# Altium PCB HallFM2_1.PcbDoc (part 1 of 3)
Units mm, origin at the board's own origin, x right, y up, seen from the top; angles counter-clockwise.
Board outline 114 x 97 mm, 4 copper layers (Top Layer, Signal Layer 1, Signal Layer 2, Bottom Layer), stack 0.971 mm thick; 267 components, 203 nets, 952 pads, 270 vias.
Unrouted connection lines stored in the file: 252.
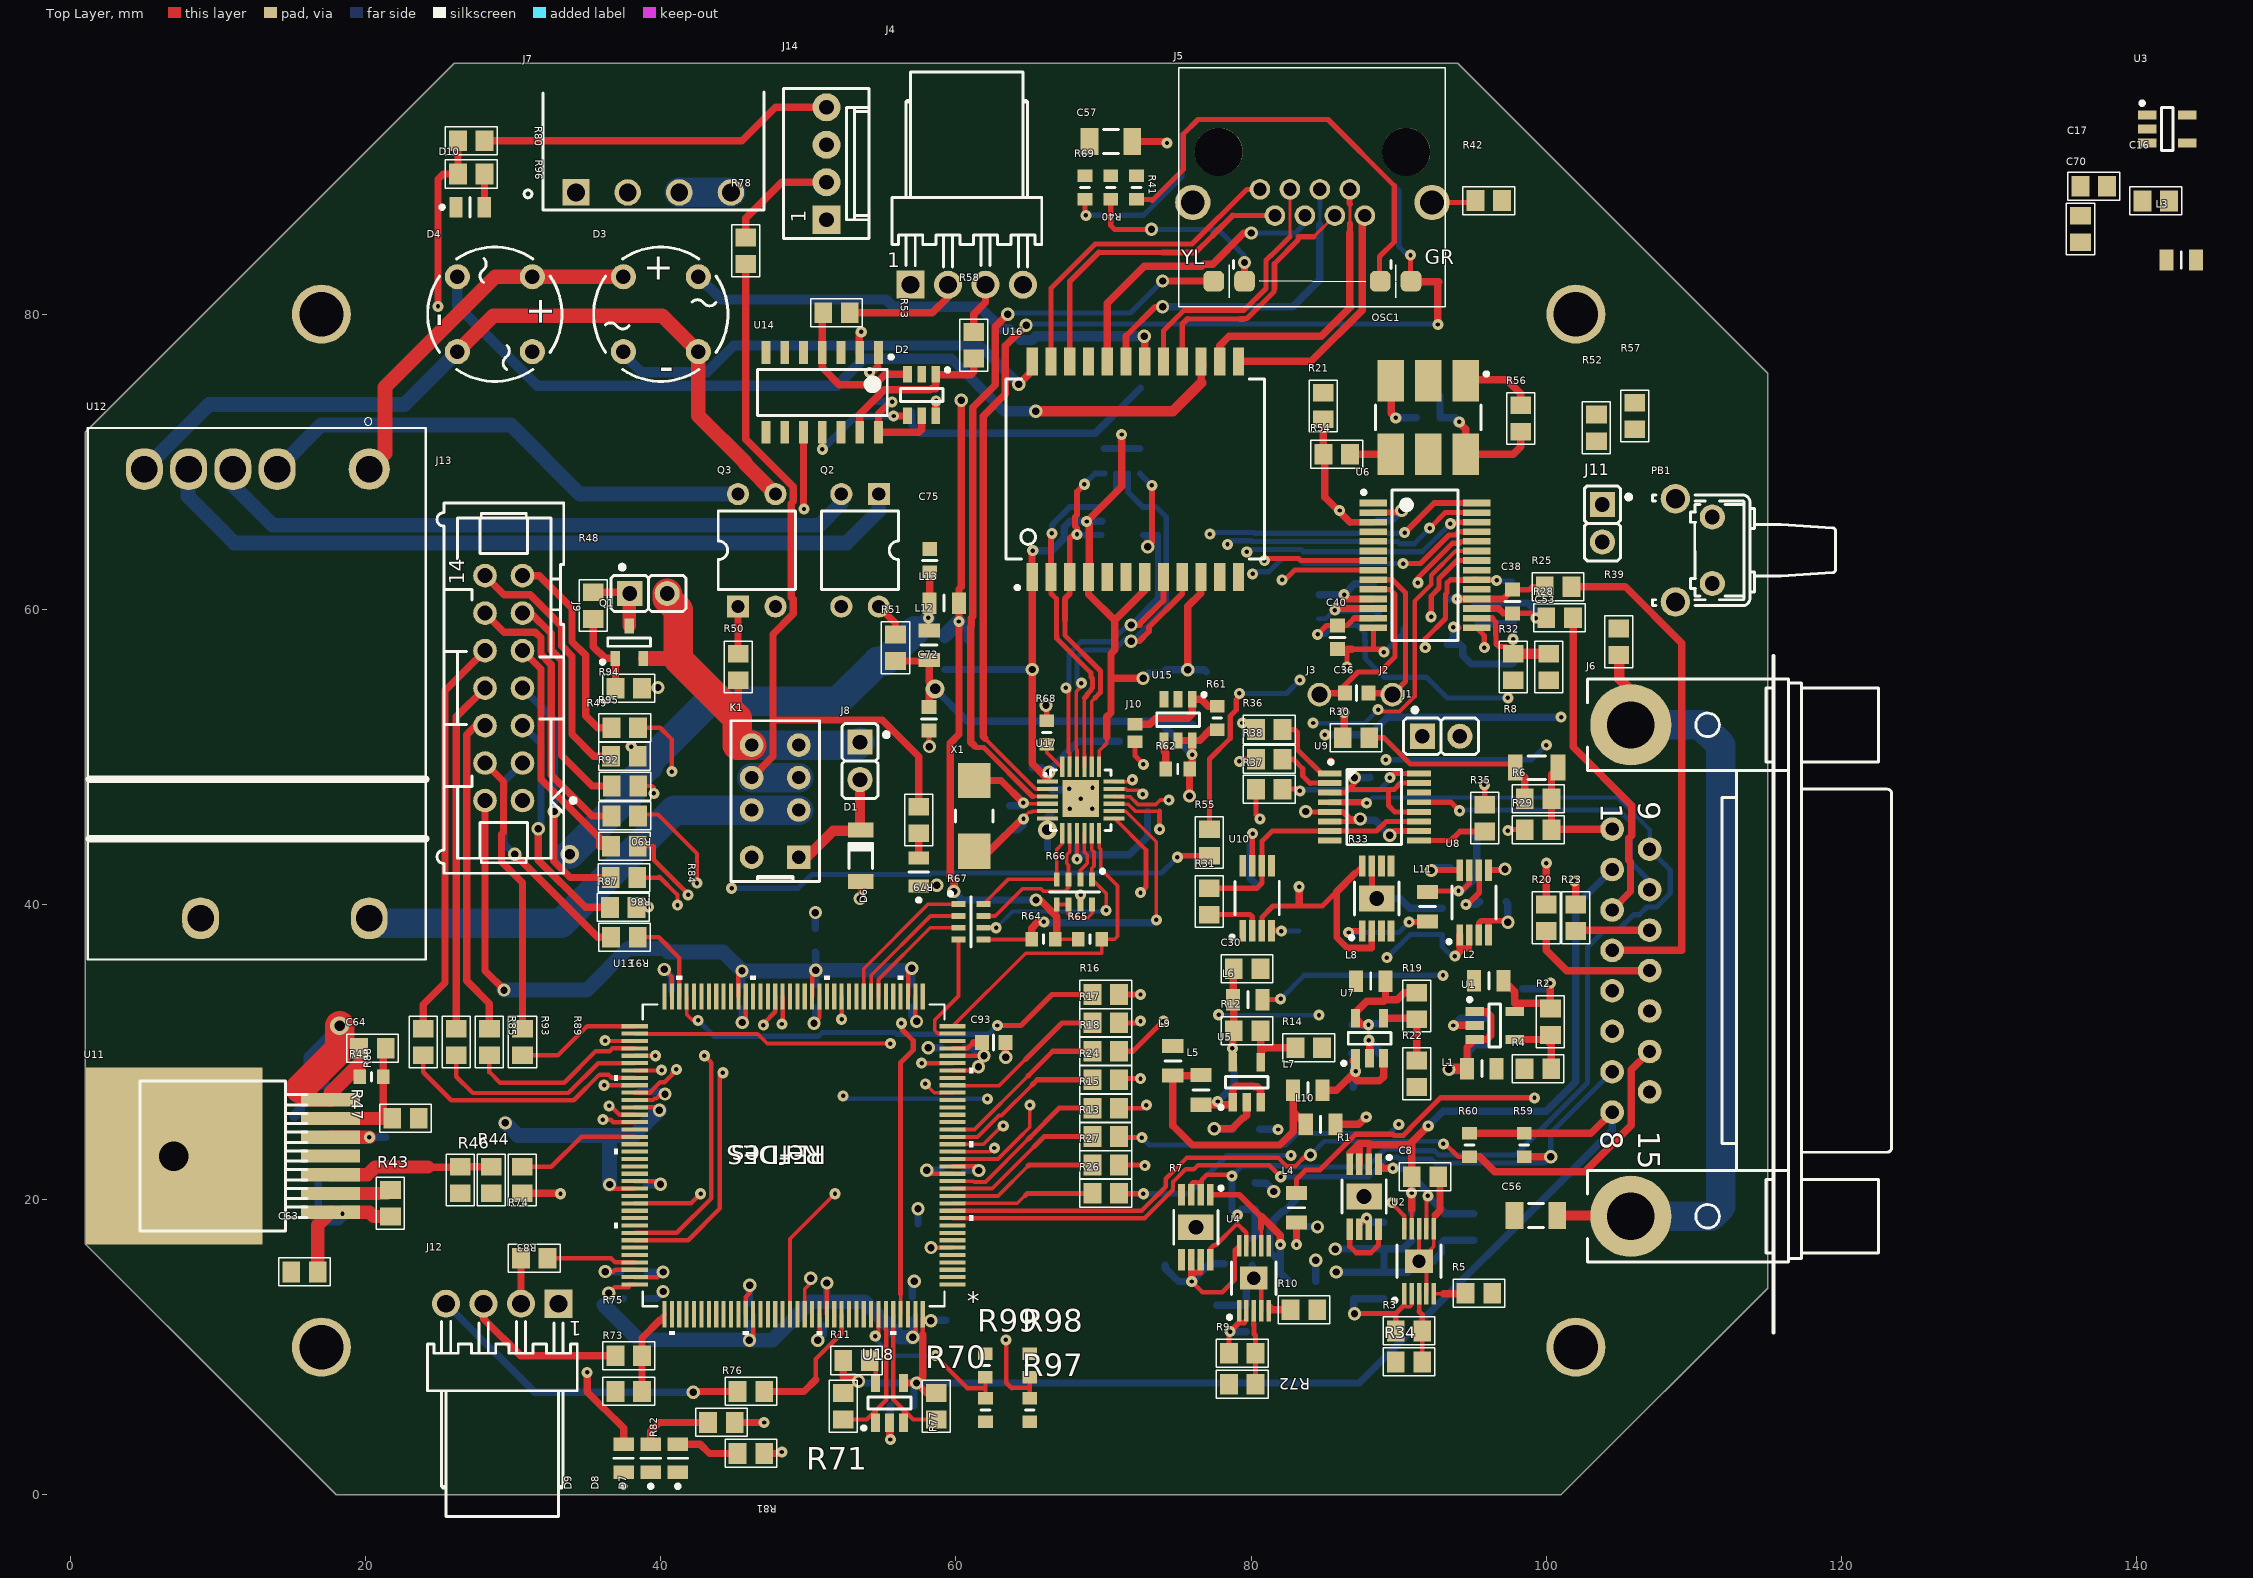
[diagram p0: Top Layer view]
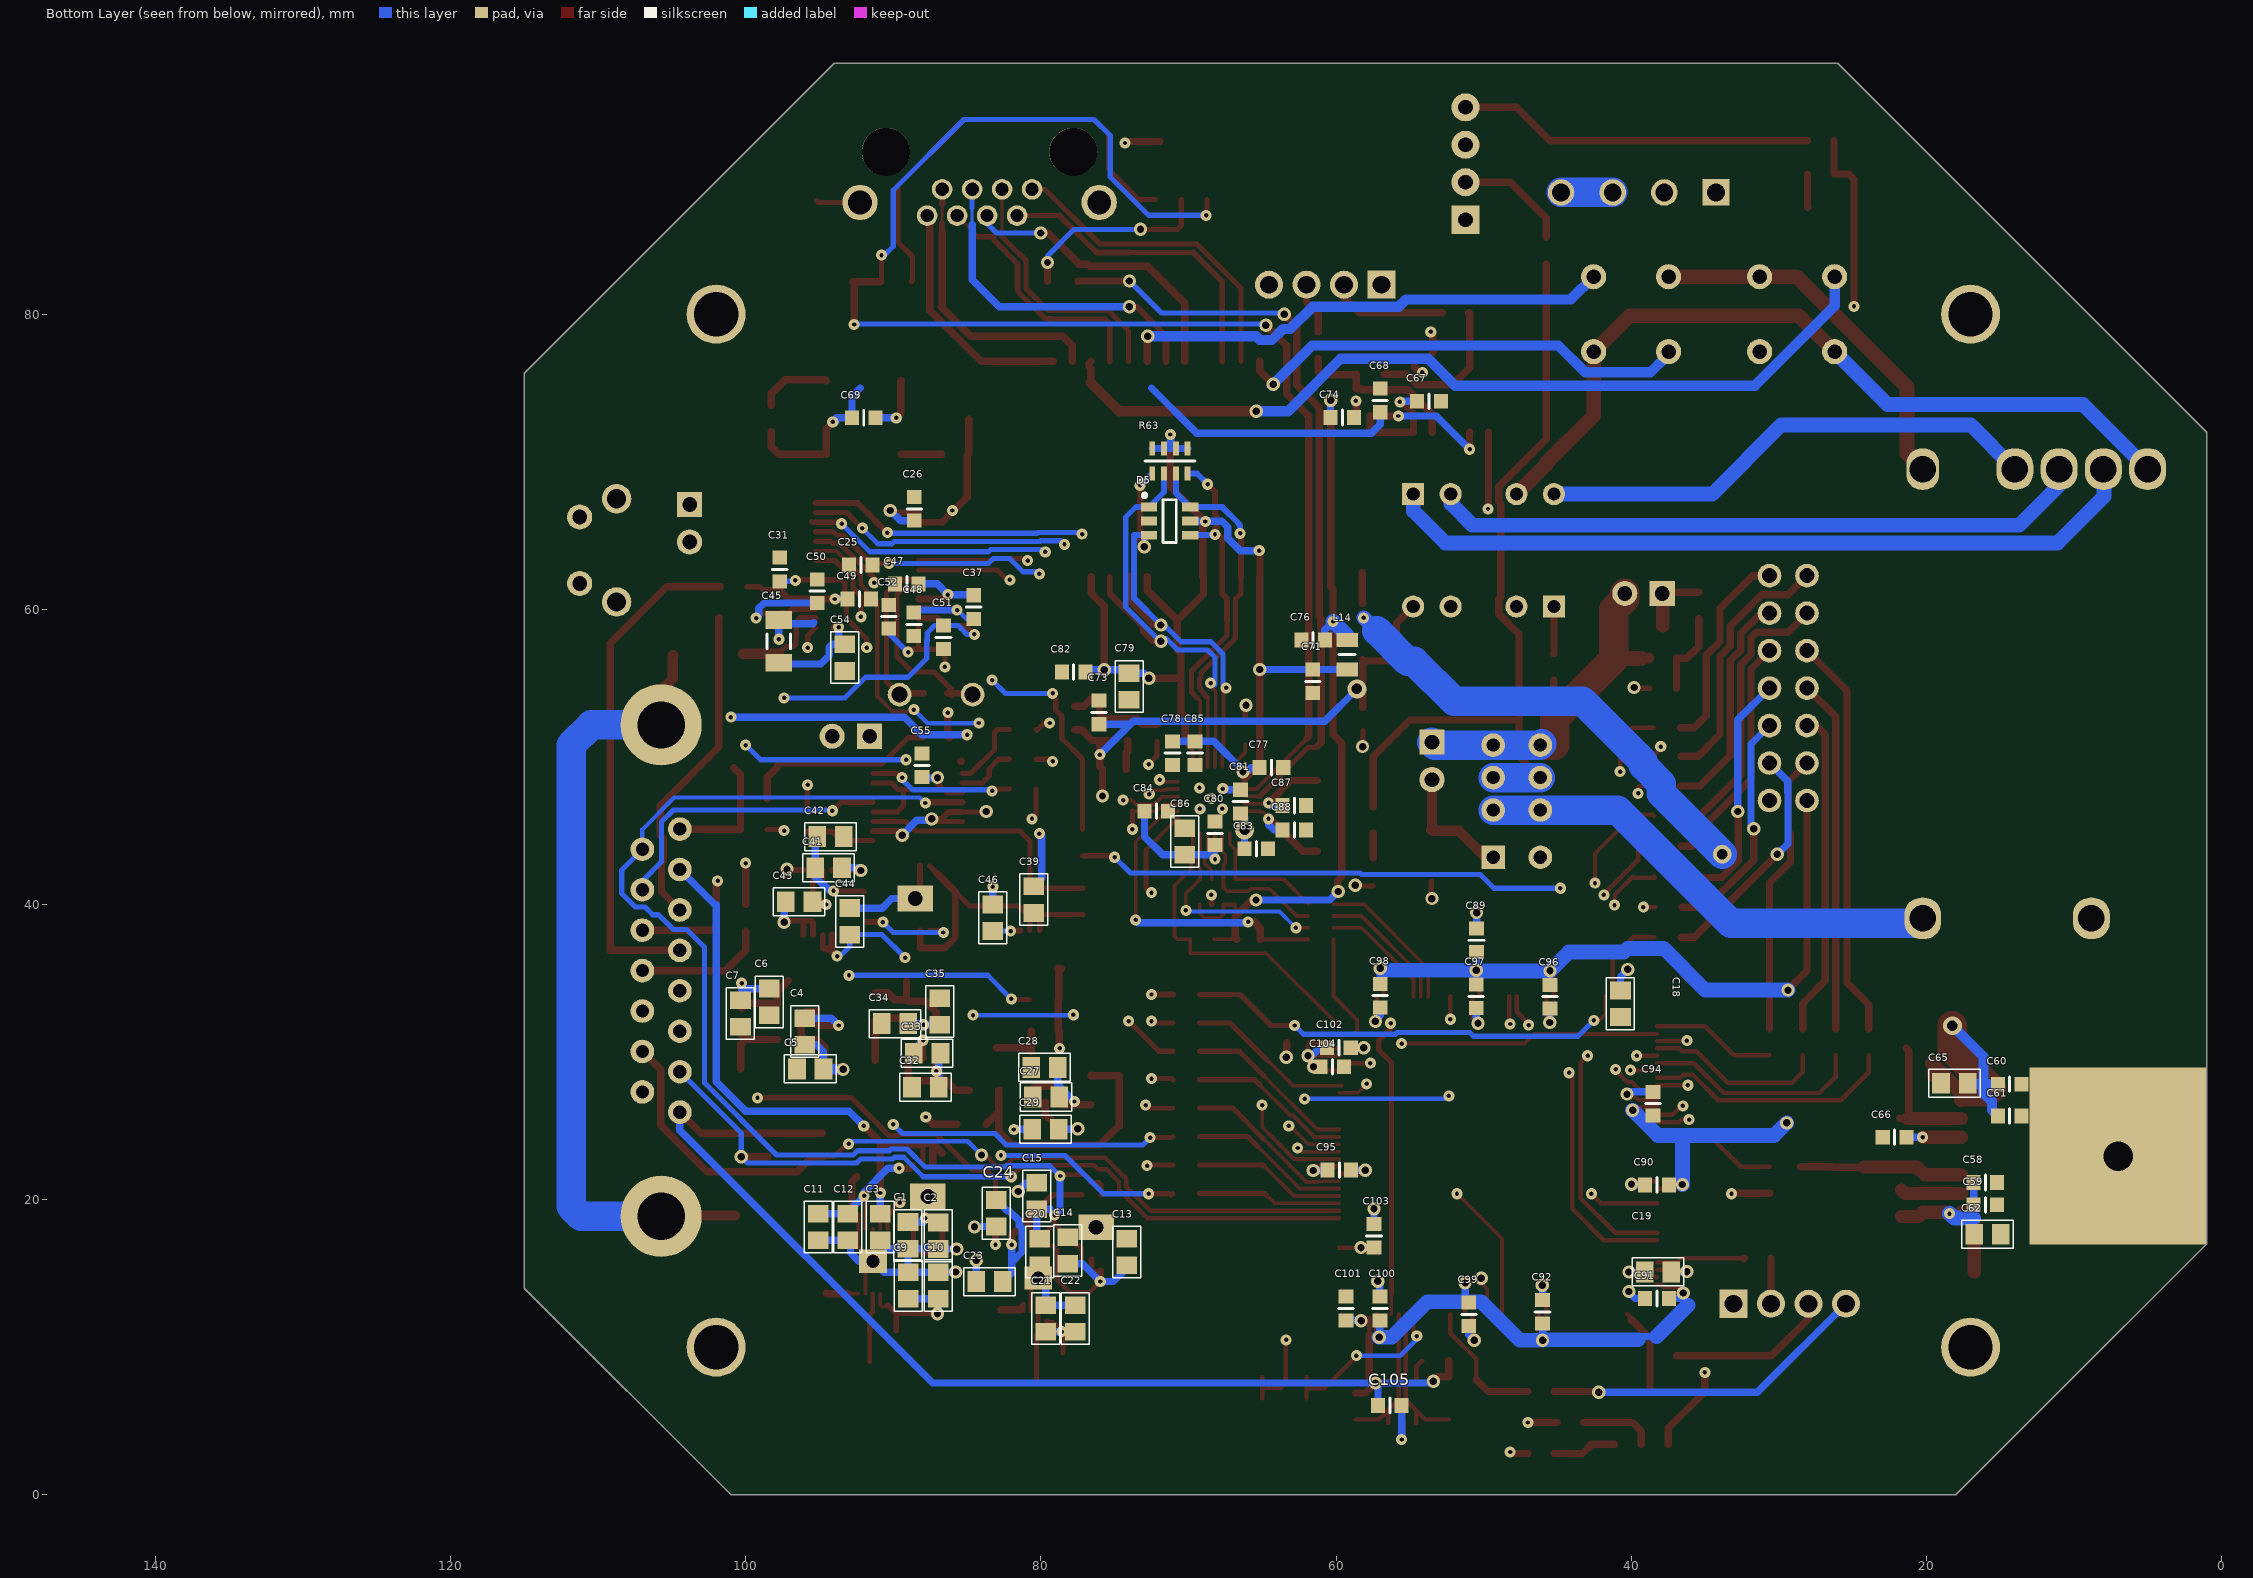
[diagram p1: Bottom Layer view, seen from below]
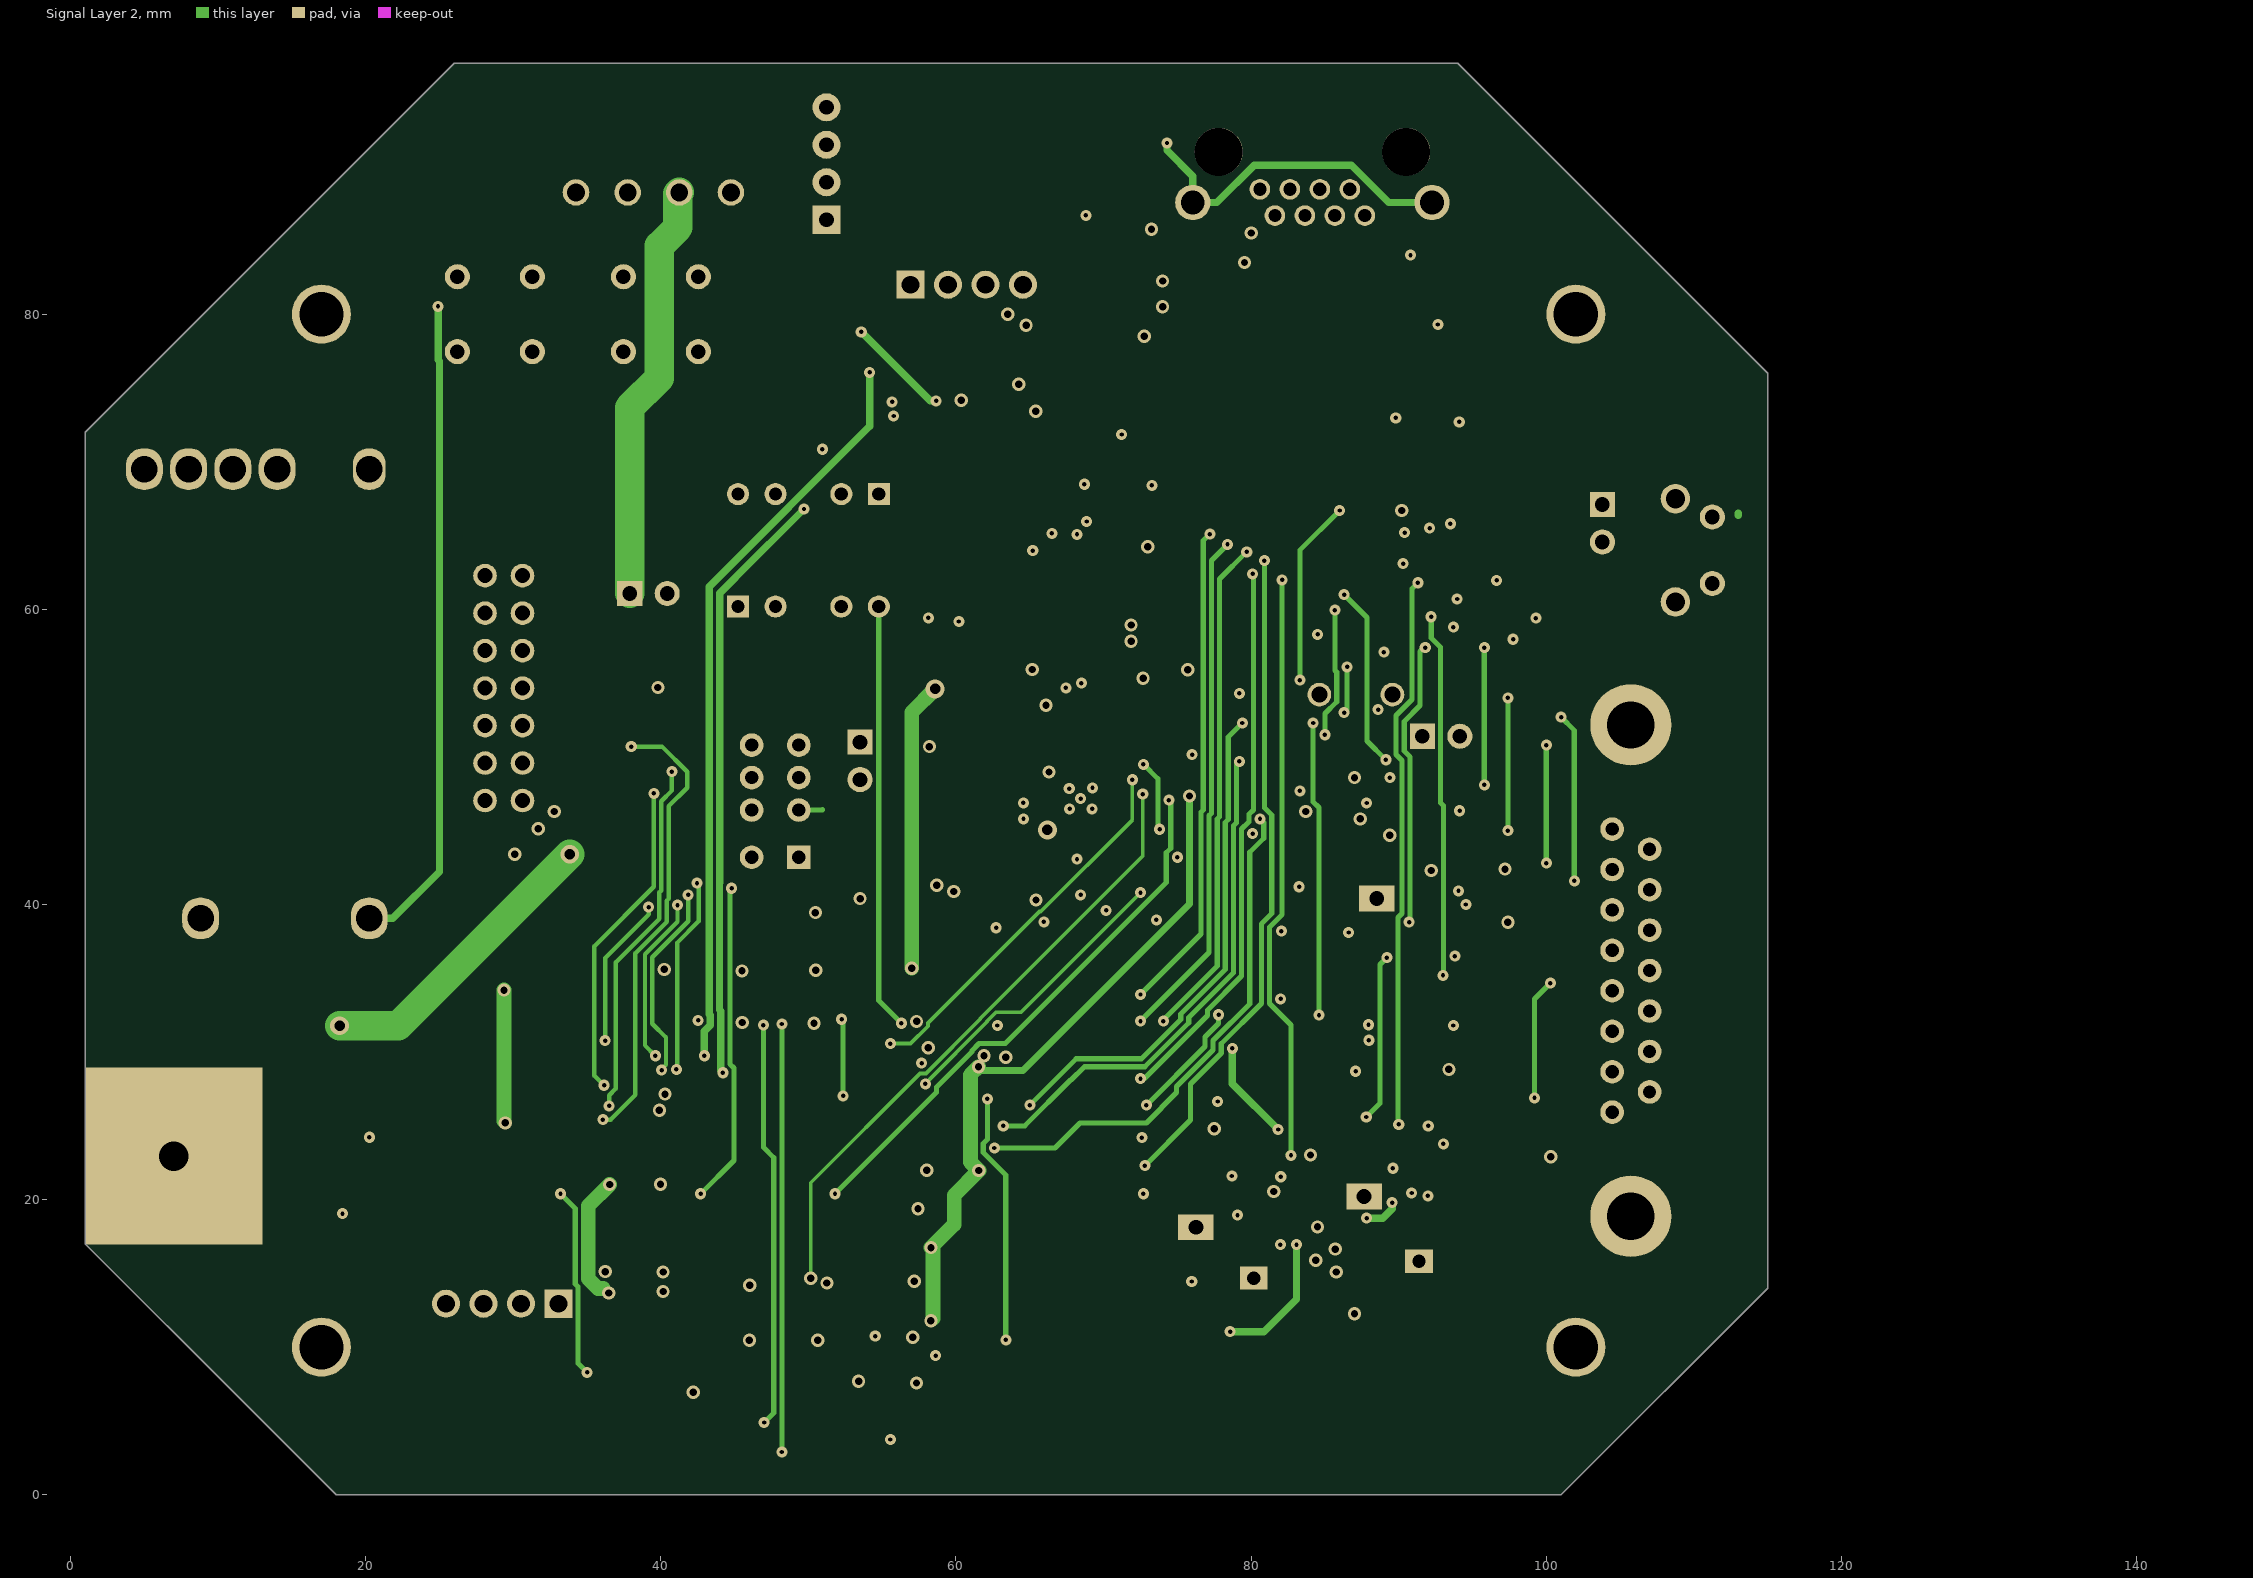
[diagram p2: Signal Layer 2]

## Layer stack, top to bottom
Top Solder: solder mask 0.0102, Solder Resist, Dk 3.5
Top Layer: signal copper 0.0356
Dielectric 3: dielectric 0.254, Dk 4.2
Signal Layer 1: signal copper 0.036
Dielectric 2: dielectric 0.254, Dk 4.2
Signal Layer 2: signal copper 0.036
Dielectric 1: dielectric 0.32, FR-4, Dk 4.8
Bottom Layer: signal copper 0.0356
Bottom Solder: solder mask 0.0102, Solder Resist, Dk 3.5

## Board outline
1,17 12,6 18,0 101,0 115,14 115,76 94,97 26,97 1,72

## Design rules (kind name [scope] priority, off if disabled: settings)
Clearance [All] p1: gap=0.3 ignorepadtopadclearanceinfootprint=FALSE except(0: Arc-Hole Track-Hole THPad-Hole Via-Hole Fill-Hole Poly-Hole Region-Hole Text-Hole; 0.1: Arc-Text Track-Text SMDPad-Text THPad-Text Via-Text Fill-Text Poly-Text Region-Text Text-Text; 0.2: Arc-Arc Arc-Track Arc-SMDPad Arc-THPad Arc-Via Track-Track Track-SMDPad Track-THPad Track-Via SMDPad-SMDPad SMDPad-THPad SMDPad-Via SMDPad-Hole THPad-THPad THPad-Via Via-Via)
DiffPairsRouting [All] p1: maxlimit=3 minlimit=0.2 mostfreqgap=0.25 toplayer_maxgap=0.87 toplayer_minwidth=0.25 toplayer_maxwidth=0.4 toplayer_prefwidth=0.35 midlayer1_maxgap=0.87 midlayer1_minwidth=0.25 midlayer1_maxwidth=0.4 midlayer1_prefwidth=0.35 midlayer2_maxgap=0.87 midlayer2_minwidth=0.25 midlayer2_maxwidth=0.4 midlayer2_prefwidth=0.35 bottomlayer_minwidth=0.2 bottomlayer_maxwidth=0.4 bottomlayer_prefwidth=0.35 maxuncoupledlength=12.7
MatchedLengths "Schematic Matched Net Lengths_3" [InNet('RD_N')] p1: tolerance=2.54 checknetsindiffpair=TRUE checkdiffpairvsdiffpair=FALSE checkxsignals=FALSE checkothers=FALSE
MatchedLengths "Schematic Matched Net Lengths_2" [InNet('RD_P')] p2: tolerance=2.54 checknetsindiffpair=TRUE checkdiffpairvsdiffpair=FALSE checkxsignals=FALSE checkothers=FALSE
MatchedLengths "Schematic Matched Net Lengths_1" [InNet('TD_N')] p3: tolerance=2.54 checknetsindiffpair=TRUE checkdiffpairvsdiffpair=FALSE checkxsignals=FALSE checkothers=FALSE
MatchedLengths "Schematic Matched Net Lengths" [InNet('TD_P')] p4: tolerance=2.54 checknetsindiffpair=TRUE checkdiffpairvsdiffpair=FALSE checkxsignals=FALSE checkothers=FALSE
PolygonConnect [All] p1: thpad.connectstyle=Relief thpad.reliefconductorwidth=0.254 thpad.reliefentries=4 thpad.polygonreliefangle="90 Angle" thpad.airgapwidth=0.254 smdpad.connectstyle=Relief smdpad.reliefconductorwidth=0.254 smdpad.reliefentries=4 smdpad.polygonreliefangle="90 Angle" smdpad.airgapwidth=0.254 via.connectstyle=Direct via.reliefconductorwidth=0.254 via.reliefentries=4 via.polygonreliefangle="90 Angle" via.airgapwidth=0.254
RoutingVias [All] p1: holewidth=0.4 width=0.85 viastyle="Through Hole" minholewidth=0.3 minwidth=0.75 maxholewidth=1 maxwidth=1.5
SilkToSilkClearance [All] p1: silktosilkclearance=0
SilkToSolderMaskClearance [IsPad] p1: minsilkscreentomaskgap=0 clearancetoexposedcopper=TRUE
SolderMaskExpansion [All] p1: expansion=0.102
Width [All] p1: maxlimit=2 minlimit=0.2 preferedwidth=0.5 toplayer_prefwidth=0.3 midlayer1_prefwidth=0.35 midlayer2_minwidth=0.25 midlayer2_prefwidth=0.35 minimp=50.000000 maximp=50.000000 favimp=50.000000
27 further rules are at their usual default settings.

## Classes and differential pairs
component class uC: C18 C19 C67 C68 C69 C70 C71 C72 C73 C74 C75 C76 C77 C78 C79 C80 C81 C82 C83 C84 C85 C86 C87 C88 C89 C90 C91 C92 C93 C94 C95 C96 C97 C98 C99 C100 C101 C102 C103 C104 C105 D2 D3 D4 D5 D7 D8 D9 J10 L12 L13 L14 OSC1 PB1 R11 R51 R52 R53 R54 R55 R56 R57 R58 R59 R60 R61 R62 R63 R64 R65 R66 R67 R68 R69 R70 R71 R73 R74 R75 R76 R77 R81 R82 R83 R84 R85 R86 R87 R88 R89 R90 R91 R92 R93 R94 R95 R97 R98 R99 U13 U14 U15 U16 U17 U18 X1
component class Power: C58 C59 C60 C61 C62 C63 C64 C65 C66 D1 D6 D10 J8 J9 K1 Q1 Q2 Q3 R43 R44 R45 R46 R47 R48 R49 R50 R78 R79 R80 R96 U11 U12
component class main: C56 C57 J4 J5 J6 J7 J12 J13 J14 R39 R40 R41 R42
component class "Current Srcs": C1 C2 C3 C4 C5 C6 C7 C8 C9 C10 C11 C12 C13 C14 C15 C16 C17 C20 C21 C22 C23 C24 J1 J11 L1 L2 L3 L4 R1 R2 R3 R4 R5 R6 R7 R8 R9 R10 R34 R72 U1 U2 U3 U4
component class ADC: C25 C26 C27 C28 C29 C30 C31 C32 C33 C34 C35 C36 C37 C38 C39 C40 C41 C42 C43 C44 C45 C46 C47 C48 C49 C50 C51 C52 C53 C54 C55 J2 J3 L5 L6 L7 L8 L9 L10 L11 R12 R13 R14 R15 R16 R17 R18 R19 R20 R21 R22 R23 R24 R25 R26 R27 R28 R29 R30 R31 R32 R33 R35 R36 R37 R38 U5 U6 U7 U8 U9 U10
differential pair MX3: +MX3_P -MX3_N
differential pair MX1: +MX1_P -MX1_N
differential pair TD: +TD_P -TD_N
differential pair RD: +RD_P -RD_N

## Components (designator, comment, footprint, x,y, rotation, side; value= is the part's Value field where it differs from the comment)
C1 "10uF" SMD0805CAP 89.007,18.582 r270 bottom
C2 "33nF" SMD0805CAP 86.957,18.557 r270 bottom
C3 "33nF" SMD0805CAP 90.873,17.148 r90 bottom
C4 "33nF" SMD0805CAP 96.002,32.402 r270 bottom
C5 "10uF" SMD0805CAP 96.632,28.853 r180 bottom
C6 "33nF" SMD0805CAP 98.398,32.398 r90 bottom
C7 "10uF" SMD0805CAP 100.355,31.605 r90 bottom
C8 "10uF" SMD0805CAP 92.777,21.552 r180 top
C9 "33nF" SMD0805CAP 88.982,15.182 r270 bottom
C10 "10uF" SMD0805CAP 86.957,15.182 r270 bottom
C11 "10uF" SMD0805CAP 95.073,17.148 r90 bottom
C12 "33nF" SMD0805CAP 93.073,17.148 r90 bottom
C13 "10uF" SMD0805CAP 74.173,15.448 r90 bottom
C14 "33nF" SMD0805CAP 78.173,15.548 r90 bottom
C15 "33nF" SMD0805CAP 80.277,21.252 r270 bottom
C16 "33nF" SMD0805CAP 140.298,87.673 r0 top
C17 "10uF" SMD0805CAP 136.098,88.673 r0 top
C18 "2.2uF" SMD0805CAP 40.723,32.273 r90 bottom
C19 "2.2uF" SMD0805CAP 39.177,15.098 r180 bottom
C20 "10uF" SMD0805CAP 80.073,15.448 r90 bottom
C21 "33nF" SMD0805CAP 79.677,12.952 r270 bottom
C22 "10uF" SMD0805CAP 77.677,12.952 r270 bottom
C23 "10uF" SMD0805CAP 84.477,14.448 r180 bottom
C24 "33nF" SMD0805CAP 83.028,18.078 r90 bottom
C25 "33nF" CAPC1608X87N 92.2,63 r180 bottom
C26 "33nF" CAPC1608X87N 88.58,66.805 r270 bottom
C27 "33nF" SMD0805CAP 80.657,26.953 r180 bottom
C28 "10uF" SMD0805CAP 80.757,28.953 r180 bottom
C29 "33nF" SMD0805CAP 78.678,24.782 r0 bottom
C30 "10uF" SMD0805CAP 80.732,35.652 r180 top
C31 "33nF" CAPC1608X87N 97.7,62.7 r270 bottom
C32 "33nF" SMD0805CAP 88.827,27.623 r180 bottom
C33 "10uF" SMD0805CAP 88.707,29.928 r180 bottom
C34 "33nF" SMD0805CAP 90.882,31.928 r180 bottom
C35 "10uF" SMD0805CAP 86.857,33.757 r270 bottom
C36 "33nF" CAPC1608X87N 87.15,54.325 r0 top
C37 "33nF" CAPC1608X87N 84.555,60.155 r90 bottom
C38 "33nF" CAPC1608X87N 97.705,60.53 r90 top
C39 "33nF" SMD0805CAP 80.478,39.328 r90 bottom
C40 "33nF" CAPC1608X87N 85.85,58.1 r90 top
C41 "33nF" SMD0805CAP 93.378,42.482 r0 bottom
C42 "10uF" SMD0805CAP 93.253,44.607 r0 bottom
C43 "10uF" SMD0805CAP 97.38,40.18 r180 bottom
C44 "33nF" SMD0805CAP 92.957,39.857 r270 bottom
C45 "33nF" CAPC1206 97.755,57.83 r90 bottom
C46 "33nF" SMD0805CAP 83.248,38.098 r90 bottom
C47 "3.3nF" CAPC1608X87N 89.075,61.725 r180 bottom
C48 "3.3nF" CAPC1608X87N 88.605,58.98 r90 bottom
C49 "3.3nF" CAPC1608X87N 92.3,60.7 r0 bottom
C50 "3.3nF" CAPC1608X87N 95.155,61.23 r270 bottom
C51 "3.3nF" CAPC1608X87N 86.6,58.1 r90 bottom
C52 "3.3nF" CAPC1608X87N 90.3,59.5 r270 bottom
C53 "3.3nF" SMD0805CAP 100.177,55.098 r90 top
C54 "3.3nF" SMD0805CAP 93.298,55.723 r90 bottom
C55 "33nF" CAPC1608X87N 88.05,49.425 r90 bottom
C56 "1nF" CAPC1206 99.3,18.925 r0 top
C57 "1nF" CAPC1206 70.5,91.7 r0 top
C58 "33nF" CAPC1608X87N 15.995,21.155 r0 bottom
C59 "33nF" CAPC1608X87N 15.995,19.655 r0 bottom
C60 "33nF" CAPC1608X87N 14.35,27.825 r0 bottom
C61 "33nF" CAPC1608X87N 14.35,25.675 r0 bottom
C62 "1uF" SMD0805CAP 14.843,17.657 r0 bottom
C63 "10uF" SMD0805CAP 14.848,15.098 r0 top
C64 "33nF" SMD0805CAP 21.452,30.252 r180 top
C65 "1uF" SMD0805CAP 19.102,27.873 r180 bottom
C66 "33nF" CAPC1608X87N 22.15,24.225 r180 bottom
C67 "33nF" CAPC1608X87N 53.695,74.105 r0 bottom
C68 "33nF" CAPC1608X87N 56.995,74.155 r270 bottom
C69 "33nF" CAPC1608X87N 92,72.975 r0 bottom
C70 "10uF" SMD0805CAP 136.202,84.773 r90 top